# Altium PCB SmallHat_V2.PcbDoc (part 1 of 2) (continued)
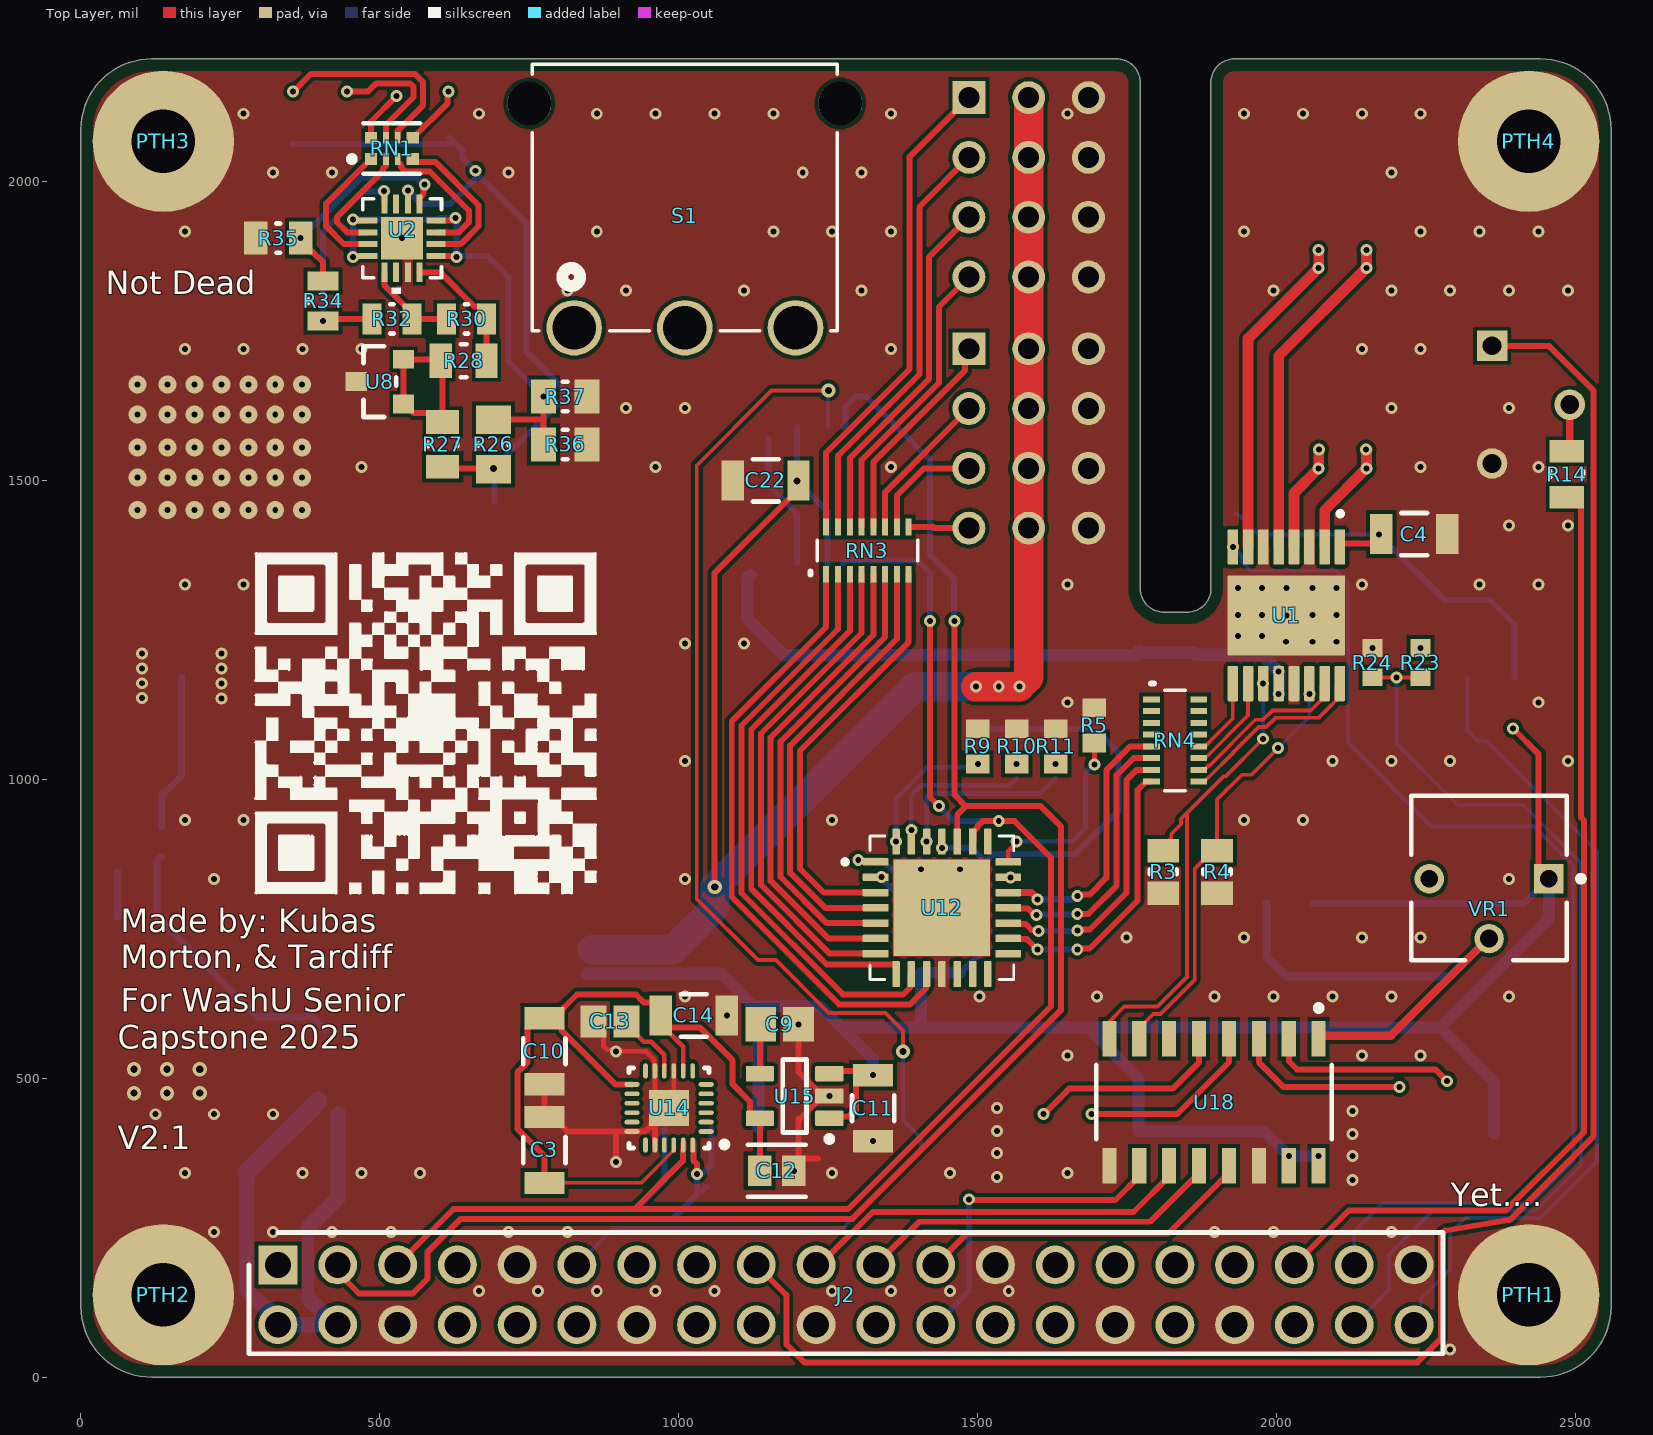
[diagram p0: Top Layer view]
## Footprints (in the part's own frame and the unit in brackets; to place one, negate y for a bottom-side part, rotate by r counter-clockwise, add the part's x,y. Pads: shape width x height; smd on the part's side, far side on the other; paste and mask are expansions set on the pad) (continued)
  rect 4.1x4.1 smd paste-3: 29(0,0)
  silkscreen extent -4.21,-3.05 3.05,3.05
RESC1608X55X25LL10T15 [mm] "Chip Resistor, 2-Leads, Body 1.60x0.80mm, IPC High Density"
  rect 0.6x0.8 smd: 1(-0.65,0) 2(0.65,0)
  body extent -0.85,-0.45 0.85,0.45, height 0.55
RESC1608X55X25ML10T15 [mm] "Chip Resistor, 2-Leads, Body 1.60x0.80mm, IPC Low Density"
  rect 0.8x1 smd: 1(-0.75,0) 2(0.75,0)
  body extent -0.85,-0.45 0.85,0.45, height 0.55
RESC1608X55X30LL15T15 [mm] "Chip Resistor, 2-Leads, Body 1.60x0.80mm, IPC High Density"
  rect 0.7x0.85 smd: 1(-0.625,0) 2(0.625,0)
  body extent -0.87,-0.48 0.87,0.48, height 0.55
RESC1609X50X30NL10T20 [mm] "Chip Resistor, 2-Leads, Body 1.55x0.85mm, IPC Medium Density"
  rect 0.8x0.95 smd: 1(-0.625,0) 2(0.625,0)
  body extent -0.82,-0.48 0.82,0.48, height 0.5
RESC1609X55X30LL10T20 [mm] "Chip Resistor, 2-Leads, Body 1.60x0.85mm, IPC High Density"
  rect 0.75x0.85 smd: 1(-0.625,0) 2(0.625,0)
  body extent -0.85,-0.48 0.85,0.48, height 0.55
RESC2013X50X30NL20T20 [mm] "Chip Resistor, 2-Leads, Body 2.00x1.25mm, IPC Medium Density"
  rect 1.05x1.45 smd: 1(-0.925,0) 2(0.925,0)
  silkscreen extent -0.1,-0.63 0.1,0.63, body extent -1.1,-0.72 1.1,0.72, height 0.5
RESC2013X60X35NL10T20 [mm] "Chip Resistor, 2-Leads, Body 2.00x1.25mm, IPC Medium Density"
  rect 1x1.35 smd: 1(-0.9,0) 2(0.9,0)
  silkscreen extent -0.1,-0.58 0.1,0.58, body extent -1.05,-0.67 1.05,0.67, height 0.6
RESC2113X50X35ML15T15 [mm] "Chip Resistor, 2-Leads, Body 2.2x1.4mm, IPC Low Density"
  rect 1.2x1.5 smd: 1(-1.05,0) 2(1.05,0)
  silkscreen extent -0.05,-0.65 0.05,0.65, body extent -1.1,-0.7 1.1,0.7, height 0.5
RHDR40W64P254_2X20_5130X500X1375P [mm]
  rect 1.65x1.65 hole 1.1: 1(-24.13,1.27)
  round 1.65 hole 1.1: 2(-24.13,-1.27) 3(-21.59,1.27) 4(-21.59,-1.27) 5(-19.05,1.27) 6(-19.05,-1.27) 7(-16.51,1.27) 8(-16.51,-1.27) 9(-13.97,1.27) 10(-13.97,-1.27) 11(-11.43,1.27) 12(-11.43,-1.27) 13(-8.89,1.27) 14(-8.89,-1.27) 15(-6.35,1.27) 16(-6.35,-1.27) 17(-3.81,1.27) 18(-3.81,-1.27) 19(-1.27,1.27) 20(-1.27,-1.27) 21(1.27,1.27) 22(1.27,-1.27) 23(3.81,1.27) 24(3.81,-1.27) 25(6.35,1.27) 26(6.35,-1.27) 27(8.89,1.27) 28(8.89,-1.27) 29(11.43,1.27) 30(11.43,-1.27) 31(13.97,1.27) 32(13.97,-1.27) 33(16.51,1.27) 34(16.51,-1.27) 35(19.05,1.27) 36(19.05,-1.27) 37(21.59,1.27) 38(21.59,-1.27) 39(24.13,1.27) 40(24.13,-1.27)
  silkscreen extent -25.36,-2.5 25.36,2.65, body extent -25.36,-2.5 25.36,2.5, height 0.25
TDK-QFN-24_L [mm] "QFN, 24-Leads, Body 3.10x3.10mm, Pitch 0.40mm, Thermal Pad 1.70x1.54mm, IPC High Density"
  oval 0.65x0.2 smd: 1(-1.575,1) 2(-1.575,0.6) 3(-1.575,0.2) 4(-1.575,-0.2) 5(-1.575,-0.6) 6(-1.575,-1) 13(1.575,-1) 14(1.575,-0.6) 15(1.575,-0.2) 16(1.575,0.2) 17(1.575,0.6) 18(1.575,1)
  oval 0.2x0.65 smd: 7(-1,-1.575) 8(-0.6,-1.575) 9(-0.2,-1.575) 10(0.2,-1.575) 11(0.6,-1.575) 12(1,-1.575) 19(1,1.575) 20(0.6,1.575) 21(0.2,1.575) 22(-0.2,1.575) 23(-0.6,1.575) 24(-1,1.575)
  rect 1.7x1.54 smd: 25(0,0)
  silkscreen extent -2.48,-1.7 1.7,1.7, body extent -1.55,-1.55 1.55,1.55, height 1.05
TE_5-103817-2 [mil]
  rect 55x55 hole 35: 1(-150,100)
  round 55 hole 35: 2(-50,100) 3(50,100) 4(150,100) 5(-150,0) 6(-50,0) 7(50,0) 8(150,0) 9(-150,-100) 10(-50,-100) 11(50,-100) 12(150,-100)
  silkscreen extent -194,-169 192,194
TS5B_L [mm] "D2-PAK, 6-Leads, Body 8.6x10.2mm, Pitch 1.7mm, Lead Span 14.1mm, IPC High Density"
  rect 2.9x1 smd: 1(-5.95,3.4) 2(-5.95,1.7) 3(-5.95,0) 4(-5.95,-1.7) 5(-5.95,-3.4)
  rect 8x10.4 smd: 6(3.4,0)
  silkscreen extent -6.07,-5.2 -1,5.2, body extent -2.7,-5.2 6.19,5.2, height 4.65
WE-PD_1280 [mm] "SMT Shielded Power Inductor, 2-leads, body 12x12mm"
  rect 5.4x2.9 smd: 1(0,-4.95) 2(0,4.95)
  Top Layer keep-out region: -6,6 -2.9,6 -2.9,3.3 2.9,3.3 2.9,6 6,6 6,-6 2.9,-6 2.9,-3.3 -2.9,-3.3 -2.9,-6 -6,-6
  silkscreen extent -6.25,-7.02 6.25,6.25, body extent -6,-6 6,6, height 7.51
YC248-JR-07100RL-Footprint-2 [mil]
  rect 28x10 smd paste+0 mask+0: 1(0,0) 2(0,-19.68) 3(0,-39.37) 4(0,-59.06) 5(0,-78.74) 6(0,-98.43) 7(0,-118.11) 8(0,-137.8) 9(79,-137.8) 10(79,-118.11) 11(79,-98.43) 12(79,-78.74) 13(79,-59.06) 14(79,-39.37) 15(79,-19.68) 16(79,0)
  silkscreen extent -1,-153 57,26

## Part data
C1 C3 C4 C10 C11 C14 C15 C17 C22: library part CMP-03020-000153-1, "CAP CER 0.1UF 100V X7R 1206", Capacitance="0.10 μF", Manufacturer=KEMET, Manufacturer Part Number=C1206C104K1RACTU, Package=C1206C-EB, Temperature="-55°C to +150°C", Temperature Characteristic=X7R, Temperature Coefficient=15%, Temperature Range High=+150°C, Temperature Range Low=-55°C, Tolerance=0.1, Voltage Rating="100 V", Automotive=Yes, Automotive Grade="Grade 0", Category=Cap, ComponentLink2Description=Datasheet, ComponentLink2URL=https://content.kemet.com/datasheets/KEM_C1007_X8R_ULTRA_150C_SMD.pdf, Device Class L1="Passive Components", Device Class L2=Capacitors, Device Class L3="Ceramic Capacitors", Digikey Description="CAP CER 0.1UF 100V X7R 1206", Height=0.88mm, Ipc Land Pattern Name=CAPC320160X78, Lead Free=Yes, Material=Ceramic, Mouser Description="CAP CER 0.1UF 100V X7R 1206", Octopart=https://octopart.com/c1206c104k1ractu-kemet-89521, Part Number=C1206C104K1RACTU, RoHS=TRUE
C2 C12: library part CMP-2007-03541-2, "Chip Multilayer Ceramic Capacitors for General Purpose, 0805, 10uF, X5R, 15%, 10%, 25V", Case Code (Imperial)=0805, Case Code (Metric)=2012, Dielectric=X5R, Max Operating Temperature=85°C, Min Operating Temperature=-55°C, Package Quantity=1, Part Number=GRM21BR61E106KA73L, Tolerance=10%, Voltage=25V, Capacitance=10uF, Case/Package=0805, Depth=1.25mm, Height=1.25mm, Lead Free="Lead Free", Length=2mm, Material=Ceramic, Mount="Surface Mount", Packaging="Tape and Reel", Radiation Hardening=No, Termination=SMD/SMT, Thickness=0.053inch, Voltage Rating=25V, Voltage Rating (DC)=25V, Width=0.049inch
C8: library part CMP-05427-000014-1, "CAP ALUM 220UF 20% 50V SMD", Leakage Current=110uA, Manufacturer=Panasonic, Manufacturer Part Number=EEEFK1H221P, Package=FKG, Part Number=EEE-FK1H221P, Ripple Current=670mA, Temperature="-55°C to +105°C", Temperature Range High=+105°C, Temperature Range Low=-55°C, Tolerance=20%, Voltage Rating=50V, Automotive=Yes, Automotive Grade="Grade 2", Capacitance=220uF, Category=Cap, ComponentLink2Description=Datasheet, ComponentLink2URL=https://industrial.panasonic.com/cdbs/www-data/pdf/RDE0000/ABA0000C1181.pdf, Device Class L1="Passive Components", Device Class L2=Capacitors, Device Class L3="Aluminum Electrolytic Capacitors", Digikey Description="CAP ALUM 220UF 20% 50V SMD", Dissipation Factor=10%, Esr=0.18Ω, Height=10.5mm, Lead Free=Yes, Life=2000Hours, Material=Aluminum, Mouser Description="Cap Aluminum Lytic 220uF 50V 20% (10 X 10.2mm) SMD 670mA 2000h 105C Automotive T/R", Octopart=https://octopart.com/eeefk1h221p-panasonic-1332836, RoHS=TRUE
C9: library part CMP-2007-03708-1, "50V 10nF X7R ±10% 0805 Multilayer Ceramic Capacitors MLCC - SMD/SMT ROHS", Manufacturer=Kemet, Part Number=C0805F103K5RACTU
C13: library part CMP-2007-03234-1, "25V 1uF X7R ±10% 0805 Multilayer Ceramic Capacitors MLCC - SMD/SMT ROHS", Manufacturer=Kemet, Part Number=C0805C105K3RACTU
C16: library part CMP-2000-06206-1, "Aluminum Electrolytic Capacitor, 100 uF, +/- 20%, 25 V, 2-Pin SMD (Size Code D8), -55 to 105 degC, RoHS, Tape and Reel", Capacitance=100µF, Case Size/Dimension=Ø6.3x7.7mm, Lifetime@Temperature=2000Hrs@105°C, Manufacturer=Panasonic, Operating Temp Range=-55to+105°C, Operating Temp-Max=105°C, Package Description="2-Pin Electrolytic Aluminum Capacitor, Body 6.6 x 6.6 mm", Package Reference=FK-V-D8, Part Number=EEE-FK1E101XP, Rated Voltage=25V, Ripple Current=280mA, Datasheet URL=http://industrial.panasonic.com/cdbs/www-data/pdf/RDE0000/ABA0000C1181.pdf, Datasheet Version=03/2016, Impedance=0.34O, Manufacturer URL=http://www.panasonic.com/, Mounting Technology=SurfaceMount, Package URL=http://industrial.panasonic.com/cdbs/www-data/pdf/RDE0000/DME0000COL48.pdf, Series=FK, Type=Can
D1: library part CMP-02539-000012-1, "DIODE SCHOTTKY 40V 3A DO214AB", Forward Current=3A, Manufacturer=Vishay, Max Junction Temp=+150°C, Max Repetitive Reverse Voltage=40V, Max Surge Forward Current=100A, Package=95402, Peak Reverse Current=0.5mA, Temperature="-55°C to +150°C", Temperature Range Low=-55°C, Automotive=No, Category=Diode, ComponentLink2Description=Datasheet, ComponentLink2URL=http://www.vishay.com/docs/88751/ss32.pdf, Device Class L1="Discrete Semiconductors", Device Class L2=Diodes, Device Class L3="Schottky Diodes", Digikey Description="DIODE SCHOTTKY 40V 3A DO214AB", Footprint Url=http://www.vishay.com/docs/95402/smc.pdf, Height=2.62mm, Lead Free=Yes, Manufacturer Part Number=SS34-E3/57T, Mouser Description="Schottky Diodes & Rectifiers 3.0 Amp 40 Volt", Octopart=https://octopart.com/ss34-e3%2F57t-vishay-39552907, Part Number=SS34-E3/57T, RoHS=TRUE, Standoff Height=0mm, Temperature Range High=+150°C
J1 J7: library part CMP-023-000000-3, "12 MODII HDR 3RST UNSHRD .100", Package=None, Part Number=TSW-104-07-L-T, Arrow_Electronics-Purchase-URL=https://snapeda.com/shop?store=Arrow+Electronics&id=1068516, Availability=Unavailable, Centerline_Pitch="2.54 mm[.1 in]", Component Type=Standard, Design Item ID=5-103817-2, DigiKey-Purchase-URL=https://snapeda.com/shop?store=DigiKey&id=1068516, EU_RoHS_Compliance=Compliant, MF="TE Connectivity", Mouser-Purchase-URL=https://snapeda.com/shop?store=Mouser&id=1068516, MP=5-103817-2, Number_of_Positions=12, Pin Count=12, Price=None, Product_Type=Connector, SnapEDA_Link=https://www.snapeda.com/parts/5-103817-2/TE%20Connectivity%20AMP%20Connectors/view-part/1068516/?ref=snap, Source=5-103817-2.SchLib
J2: "Connector", Manufacturer_Name=SparkFun, Mouser Part Number=474-PRT-16764, Arrow Part Number=PRT-16764, Arrow Price/Stock=null?region=nac, Datasheet Link=https://cdn.sparkfun.com/assets/0/8/d/b/2/DS-16764-2_X_20_Pin_Extended_GPIO_Header_-_Female_-_13.5mm_9.80mm.pdf, Height=13.75mm, Mouser Price/Stock=https://www.mouser.co.uk/ProductDetail/SparkFun/PRT-16764?qs=W%2FMpXkg%252BdQ4FKwyaXnhaEw%3D%3D, Part Number=PRT-16764
J3 J4 J6 J8: library part CMP-002-00074-1, "2.0mm pitch/Disconnectable Insulation displacement and Crimp style connectors", Part Number=B4B-PH-SM4-TB
J5: library part CMP-002-00072-1, "Connector Header, PH Series, 3 Position, 2.00mm, 100V, Surface Mount, Solder, Pick and Place, Natural.", Part Number=B3B-PH-SM4-TB
J9 J10 J11: library part CMP-002-00073-1, "Connector Header, PH Series, 2 Position, 2.00mm, 100V, Surface Mount, Solder, Natural", Part Number=B2B-PH-SM4-TB
L1: library part CMP-0227-00205-2, Ambient Temperature Range High=85°C, Ambient Temperature Range Low=-40°C, Case/Package=Nonstandard, Current Rating=3A, DC Resistance (DCR)=53mΩ, Inductance=47µH, Inductance Tolerance=20%, Max DC Current=2.7A, Max Operating Temperature=125°C, Resistance=100mΩ, Self Resonant Frequency=7.9MHz, Test Frequency=1kHz, Composition=Wirewound, Core Material=Ferrite, Depth=12mm, Height=8mm, Height - Seated (Max)=8.001mm, Lead Free="Lead Free", Lead Pitch=7mm, Length=12mm, Min Operating Temperature=-40°C, Mount="Surface Mount", NexarPartId=8917149, Number of Pins=2, Packaging="Cut Tape (CT)", Part Number=744770147, REACH SVHC=Unknown, RMS Current (Irms)=2.7A, RoHS=Compliant, Saturation Current=3A, Series Resistance=100mΩ, Shielding=Shielded, Termination=SMD/SMT, Tolerance=20%, Weight=4.535924g, Width=12mm
LED1 LED5 LED6 LED7 LED8: library part CMP-007-00037-3, "Single Color LED, High Efficiency Red, Untinted Diffused, 1.4mm", Forward Current=20mA, Forward Voltage=2.6V, Max Operating Temperature=85°C, Min Operating Temperature=-40°C, Mounting Technology="Surface Mount", Part Number=HSMS-C170, Pins=2, RoHS Compliant=Yes
PD1 PD2 PD3 PD4 PD5 PD6: library part "0805 Pads", P&P Comment="DO NOT PLACE"
PTH1 PTH2 PTH3 PTH4: library part CMP-00030-00001-4, "Mounting Hole with inner diameter of 2.7mm and outer diameter of 6mm (Made for Rasberry Pi 4b", P&P Comment="NO NOT PLACE"
R1: library part CMP-2000-00466-1, Manufacturer=Panasonic, Part Number=ERJ-3EKF3741V
R2 R5 R6 R7 R9 R10 R11 R12: library part CMP-2000-05022-1, "Resistor, 10 KOhm, +/- 5%, 100 mW, -55 to 155 degC, 0603 (1608 Metric), RoHS, Tape and Reel - RC0603JR-0710KL", Case Code - in=0603, Case Code - mm=1608, Manufacturer=Yageo, Operating Temperature Range=-55Cto+155C, Package Description="2-Pin Surface Mount Device, Body 1.6 x 0.8 mm", Package Reference=603, Part Number=RC0603JR-0710KL, Power Rating=100mW, Resistance=10kOhms, Temperature Coefficient=100PPM/C, Tolerance=5%, Voltage Rating=50V, Datasheet URL=http://www.farnell.com/datasheets/443971.pdf, Datasheet Version="Rev. 4, 04/2009", Manufacturer URL=http://www.yageo.com/, Packaging=Reel, Product=ThickFilmResistorsGeneralPurpose, Series=RC, Termination Style=SMD/SMT
R3 R4: library part CMP-2001-00911-1, "RC0805FR-0712K4L / Fixed Resistor, Metal Glaze/thick Film, 0.125W, 12400ohm, 150V, 1% +/-Tol, 100ppm/Cel, Surface Mount, 0805", Manufacturer=Yageo, Part Number=RC0805FR-0712K4L
R8 R14 R27: library part CMP-2001-03755-2, "RES Thick Film, 2kΩ, 1%, 0.125W, 100ppm/°C, 0805", Case Code (Imperial)=0805, Case Code (Metric)=2012, Max Operating Temperature=155°C, Max Power Dissipation=125mW, Min Operating Temperature=-55°C, Package Quantity=10, Part Number=CRCW08052K00FKEA, Resistance=2kR, Temperature Coefficient=100ppm/°C, Tolerance=1%, Voltage Rating=150V, Case/Package=0805, Composition="Thick Film", Contact Plating=Tin, Depth=1.25mm, Features="Automotive AEC-Q200", Height=0.02inch, Lead Free="Lead Free", Length=2mm, Military Standard=Not, Mount="Surface Mount", Number of Pins=2, Number of Terminals=2, Number of Terminations=2, Packaging="Tape and Reel", Power Rating=125mW, Radiation Hardening=No, Termination=SMD/SMT, Voltage Rating (DC)=150V, Weight=0.000194oz, Width=1.25mm, Working Voltage=150V
R13: library part CMP-2000-02979-1, "Fixed Resistor, Metal Glaze/thick Film, 0.1W, 1130ohm, 75V, 1% +/-Tol, 100ppm/Cel, Surface Mount, 0603", Manufacturer="Vishay Dale", Part Number=CRCW06031K13FKEA
R23: library part CMP-2000-03719-1, "TNPW06031K00BETA / 100mW Thin Film Resistor ±25ppm/℃ ±0.1% 1kΩ 0603  Chip Resistor - Surface Mount ROHS", Manufacturer="Vishay Dale", Part Number=TNPW06031K00BETA
R24: library part CMP-2000-03747-1, "TNPW06032K00BEEA / 125mW Thin Film Resistor ±25ppm/℃ ±0.1% 2kΩ 0603  Chip Resistor - Surface Mount ROHS", Manufacturer="Vishay Dale", Part Number=TNPW06032K00BEEA
R26: library part CMP-2001-03847-3, "Chip Resistor, 36 KOhm, +/- 1%, 0.125 W, -55 to 155 degC, 0805 (2012 Metric), RoHS, Tape and Reel", Manufacturer="Vishay Semiconductor", Max Operating Temperature="155 degC", Min Operating Temperature="-55 degC", Package Quantity=5000, Part Number=CRCW080536K0FKEA, Voltage Rating="150 V", ComponentLink1Description="Manufacturer URL", ComponentLink1URL=http://www.vishay.com/, ComponentLink2Description=Datasheet, ComponentLink2URL=http://www.farnell.com/datasheets/1697337.pdf, DatasheetVersion=06/2012, Height="0.45 mm", Length="2 mm", Mount="Surface Mount", Mounting Technology="Surface Mount", PackageDescription="2-Pin Surface Mount Device, Body 2.05 x 1.25 mm", PackageReference=0805, Packaging="Tape and Reel", Pins=2, REACH SVHC=Unknown, RoHSCompliant=true
R28: library part CMP-2001-03741-2, "RES Thick Film, 27kΩ, 1%, 0.125W, 100ppm/°C, 0805", Case Code (Imperial)=0805, Case Code (Metric)=2012, Max Operating Temperature=155°C, Max Power Dissipation=125mW, Min Operating Temperature=-55°C, Package Quantity=10, Part Number=CRCW080527K0FKEA, Resistance=27kR, Resistance Tolerance=1%, Resistor Type="Thick Film", Temperature Coefficient=100ppm/°C, Voltage Rating=150V, Case/Package=0805, Construction=Rectangular, Contact Plating=Tin, Depth=1.25mm, Features="Automotive AEC-Q200", Height=0.45mm, Lead Free="Lead Free", Length=2mm, Military Standard=Not, Mount="Surface Mount", Number of Pins=2, Number of Terminations=2, Packaging="Tape and Reel", Power Rating=125mW, Radiation Hardening=No, RoHS Compliant=Yes, Series=CRCW, Size Code=0805, Technology="THICK FILM", Termination=SMD/SMT, Tolerance=1%, Voltage Rating (DC)=150V, Weight=0.000194oz, Width=0.049inch
R30 R32 R34: library part CMP-2001-03869-2, "RES Thick Film, 3kΩ, 1%, 0.125W, 100ppm/°C, 0805", Case Code (Imperial)=0805, Case Code (Metric)=2012, Max Operating Temperature=155°C, Max Power Dissipation=125mW, Min Operating Temperature=-55°C, Package Quantity=10, Part Number=CRCW08053K00FKEA, Resistance=3kR, Temperature Coefficient=100ppm/°C, Tolerance=1%, Voltage Rating=150V, Case/Package=0805, Composition="Thick Film", Contact Plating=Tin, Depth=1.25mm, Features="Automotive AEC-Q200", Height=0.45mm, Lead Free="Lead Free", Length=2mm, Military Standard=Not, Number of Terminations=2, Packaging="Tape and Reel", Power Rating=125mW, Radiation Hardening=No, Termination=SMD/SMT, Voltage Rating (DC)=150V, Weight=0.000194oz, Width=1.25mm, Working Voltage=150V
R35: library part CMP-2001-03827-2, "RES Thick Film, 33kΩ, 1%, 0.125W, 100ppm/°C, 0805", Case Code (Imperial)=0805, Case Code (Metric)=2012, Max Operating Temperature=155°C, Max Power Dissipation=125mW, Min Operating Temperature=-55°C, Package Quantity=5000, Part Number=CRCW080533K0FKEA, Resistance=33kR, Temperature Coefficient=100ppm/°C, Tolerance=1%, Voltage Rating=150V, Case/Package=0805, Composition="Thick Film", Contact Plating=Tin, Depth=1.25mm, Features="Automotive AEC-Q200", Height=0.45mm, Lead Free="Lead Free", Length=2mm, Military Standard=Not, Number of Terminations=2, Packaging="Tape and Reel", Power Rating=125mW, Radiation Hardening=No, Termination=SMD/SMT, Voltage Rating (DC)=150V, Weight=0.000194oz, Width=1.25mm
R36 R37: library part CMP-2001-03588-1, "CRCW080518K0FKEA / 125mW Thick Film Resistors 150V ±1% ±100ppm/℃ 18kΩ 0805  Chip Resistor - Surface Mount ROHS", Manufacturer="Vishay Dale", Part Number=CRCW080518K0FKEA
RN1: library part CMP-2000-06233-2, "RES ARRAY 4 RES 10K OHM 0804", Case Code (Imperial)=0402, Case Code (Metric)=1005, Case/Package=0804, Max Operating Temperature=125°C, Min Operating Temperature=-55°C, Number of Resistors=4, Package Quantity=1, Part Number="EXB-28V103JX Panasonic", Power Dissipation=63mW, Power Per Element=62.5mW, Resistance=10kR, Resistance Tolerance=5%, Temperature Coefficient=200ppm/°C, Voltage Rating=50V, Voltage Rating (DC)=100V, Circuit Type=Isolated, Depth=1mm, Height=0.35mm, Lead Free="Lead Free", Length=2mm, Military Standard=Not, Mount="Surface Mount", Number of Contacts=8, Number of Elements=4, Number of Pins=8, Number of Terminals/Pins=8, Packaging="Tape and Reel", Radiation Hardening=No, RoHS Compliant=Yes, Series=EXB, Size Code=0402, Technology="THICK FILM", Terminal Pitch=0.5mm, Termination=Convex, Tolerance=5%, Width=0.039inch
RN3 RN4: library part CMP-009-00178-4, "Array/Network Resistor, Isolated, Metal Glaze/thick Film, 100ohm, 50V, 5% +/-Tol, 200ppm/Cel, Surface Mount, 1606", Case/Package=1606, Max Operating Temperature=155°C, Min Operating Temperature=-55°C, Tolerance=5%, Mounting Technology="Surface Mount", Part Number=YC248-JR-07100RL, Pins=16, RoHS Compliant=Yes
S1: library part CMP-011-00016-3, "Switch, SPDT, Horizontal, 6A, 28VDC, Through Hole-right Angle", Max Operating Temperature=65°C, Min Operating Temperature=-30°C, Mounting Technology="Through Hole", Part Number=1101M2S3AQE2
S2: library part CMP-011-00017-1, "Slide Switch", Part Number=CL-SB-12C-02, RoHS Compliant=Yes
U1: library part CMP-021-000000-3, "1.65-V to 11-V, 4-A dual H-bridge motor driver with IPROPI current regulation", Package="TSSOP-16 Texas Instruments", Check_prices=https://www.snapeda.com/parts/DRV8411APWPR/Texas+Instruments/view-part/?ref=eda, Component Type=Standard, Design Item ID=DRV8411APWPR, MF="Texas Instruments", MP=DRV8411APWPR, Part Number=DRV8411APWPR, Pin Count=17, SnapEDA_Link=https://www.snapeda.com/parts/DRV8411APWPR/Texas+Instruments/view-part/?ref=snap, Source=DRV8411APWPR.SchLib
U2: library part CMP-014-00002-3, "Operational Amplifier, 4 Func, 9000uV Offset-Max, BIPolar, PQCC16", Case/Package=HVQCCN, Max Operating Temperature=70°C, Min Operating Temperature=0°C, Nominal Supply Voltage=5V, Channels=4, Part Number=LM324QT, Pins=16, RoHS Compliant=Yes
U3: library part CMP-0069-00272-2, "SIMPLE SWITCHER® Power Converter 150 KHz 3A Step-Down Voltage Regulator, 5-pin TO-263", Manufacturer="National Semiconductor", PackageTopMarking="NSUZXYTTE#*LM2596S*-ADJ P+", Part Number=4518-LM2596S-ADJTR-ND, PowerWise=N, Code_JEDEC=MO-169-AB, ComponentLink1Description="LM2596 Datasheet", ComponentLink1URL=http://www.national.com/ds/LM/LM2596.pdf, ComponentLink2Description="LM2596 Web Page", ComponentLink2URL=http://www.national.com/pf/LM/LM2596.html, ComponentLink3Description="TS5B Package Page", ComponentLink3URL=http://www.national.com/packaging/folders/ts5b.html, CompType=Switcher, DatasheetVersion=May-2002, PackageDescription="TO-263, Molded, .400 x .390 x .180in, 5 Lead, .067in Pitch, Surface Mount", PackageReference=TS5B, PackageVersion="revD, Apr-2005", PinCount=5, RevisionNote="Component URLs added", RoHS=N
U8: library part CMP-12755-000001-1, "IC VREF SHUNT ADJ SOT23-3", Ambient Temperature Range High=+125°C, Ambient Temperature Range Low=-40°C, Manufacturer="DIODES INC.", Max Junction Temp=+150°C, Max Power Dissipation=330mW, Package=SOT23, Temperature="to +150°C", Automotive=No, Category=IC, ComponentLink2Description=Datasheet, ComponentLink2URL=https://www.diodes.com/assets/Datasheets/TL431_432.pdf, Device Class L1="Integrated Circuits (ICs)", Device Class L2="Power Management ICs", Device Class L3="Voltage References", Digikey Description="IC VREF SHUNT ADJ SOT23-3", Footprint Url=https://www.diodes.com/assets/Package-Files/SOT23.pdf, Height=1.1mm, Ipc Land Pattern Name=SOT92P240X102-3, Lead Free=Yes, Manufacturer Part Number=TL431ASA-7, Mouser Description="V-Ref Adjustable 2.495V to 36V 100mA 3-Pin SOT-23 T/R", Octopart=https://octopart.com/tl431asa-7-diodes+inc.-18832779, Output Type=AdjustableProgrammable, Part Number=TL431ASA-7, Reference Type=Shunt, RoHS=TRUE, Standoff Height=0.013mm, Temperature Range High=+150°C
U9: library part CMP-04910-000015-1, "IC MONITOR PWR/CURR 16TSSOP", Ambient Temperature Range High=+125°C, Ambient Temperature Range Low=-40°C, Manufacturer="Texas Instruments", Max Junction Temp=+150°C, Max Supply Voltage=5.5V, Min Supply Voltage=2.7V, Nominal Supply Current=310uA, Output Current=10mA, Package=PW0016A, Temperature="-40°C to +125°C", Automotive=No, Category=IC, ComponentLink2Description=Datasheet, ComponentLink2URL=http://www.ti.com/lit/ds/symlink/ina260.pdf, Device Class L1="Integrated Circuits (ICs)", Device Class L2="Power Management ICs", Device Class L3=unset, Digikey Description="IC MONITOR PWR/CURR 16TSSOP", Height=1.2mm, Lead Free=Yes, Manufacturer Part Number=INA260AIPWR, Octopart=https://octopart.com/ina260aipwr-texas+instruments-75199489, Part Number=INA260AIPWR, RoHS=TRUE, Standoff Height=0.05mm, Temperature Range High=+125°C, Temperature Range Low=-40°C
U12: "LED Driver IC 16 Output Linear PWM Dimming 25mA 28-HVQFN (6x6)", Package="HVQFN-28 NXP Semiconductors", Availability=Unavailable, MF="NXP USA", MP=PCA9685BS,118, Part Number=PCA9685BS,118, Price=None, SnapEDA_Link=https://www.snapeda.com/parts/PCA9685BS,118/NXP%20USA%20Inc./view-part/215271/?ref=snap
U14: library part CMP-031-00007-3, "Accelerometer and Gyroscope Compass 9-Axis Digital 24-Pin QFN T/R", Case/Package=QFN, Max Operating Temperature=85°C, Max Supply Voltage=3.6V, Min Operating Temperature=-40°C, Min Supply Voltage=1.71V, Mounting Technology="Surface Mount", Part Number=ICM-20948
U15: library part CMP-0394-00328-2, "Single Output High PSRR LDO, 200 mA, Fixed 1.8 V Output, 2.7 to 5.5 V Input, 5-pin SOT-23 (DBV), -40 to 85 degC, Green (RoHS & no Sb/Br)", Manufacturer="Texas Instruments", Rating=Catalog, Accuracy(%)=2, Code_JEDEC=MO-178, ComponentLink1Description="Manufacturer URL", ComponentLink1URL=http://www.ti.com/, ComponentLink2Description=Datasheet, ComponentLink2URL=http://www.ti.com/general/docs/lit/getliterature.tsp?genericPartNumber=TPS79318&fileType=pdf, ComponentLink3Description="Package Specification", ComponentLink3URL=http://www.ti.com/litv/pdf/mpds018i, DatasheetVersion=SLVS348K, Eco-Plan="Green (RoHS & no Sb/Br)", Fixed Output Options(V)=1.8, Iout(Max)(A)=0.2, Iq(Typ)(mA)=0.2, Mounting Technology="Surface Mount", PackageDescription="5-Pin Plastic Small Outline, Body 1.60 Ãƒâ€” 2.90 mm, Pitch 0.95 mm", PackageReference=DBV0005A, PackageVersion=4073253-4/K, Part Number=TPS79318DBVR, SubFamily="Single Channel LDO", Vdo(Typ)(mV)=112, Vin(Max)(V)=5.5, Vin(Min)(V)=2.7, Vout Adj(Max)(V)=1.8, Vout Adj(Min)(V)=1.8
U18: library part CMP-0188-00351-3, "IC ADC 10BIT SAR 16SOIC", Case/Package=SOIC, Max Operating Temperature=85°C, Max Supply Voltage=5.5V, Min Operating Temperature=-40°C, Min Supply Voltage=2.7V, Nominal Supply Current=425uA, Operating Supply Voltage=5V, Output Voltage=4.1V, Package Quantity=2600, Contact Plating=Tin, Conversion Rate=200KS/s, Differential Nonlinearity=1LSB, Full Scale Error=1LSB, Integral Nonlinearity (INL)=1LSB, Interface=SPI, Lead Free="Lead Free", Mount="Surface Mount", Number of A/D Converters=1, Number of Bits=10, Number of Channels=8, Number of Converters=1, Number of Elements=1, Number of Pins=16, Packaging="Tape and Reel", Part Number=MCP3008T-I/SL, Polarity=Unipolar, Radiation Hardening=No, REACH SVHC="No SVHC", Resolution=10b, Sampling Rate=200KS/s, Signal to Noise Ratio (SNR)=200dB, Supply Type=Single
VR1: library part CMP-1747-00004-1, "Square Trimpot(R) Trimming Potentiometer, 10 KOhm, 300 V, -55 to 125 degC, 3-Pin THD, RoHS, Tube", Case Code (Imperial)=0612, Case Code (Metric)=1632, Case/Package=1206, Max Operating Temperature=125degC, Min Operating Temperature=-25degC, Package Quantity=5000, Power Rating="1 W", Resistance="50 mohm", Tolerance=1%, Voltage Rating="220 mV", ComponentLink1Description="Manufacturer URL", ComponentLink1URL=http://www.bourns.com/, ComponentLink2Description=Datasheet, ComponentLink2URL=http://www.bourns.com/docs/Product-Datasheets/3362.pdf, DatasheetVersion=May-16, Height="0.6 mm", Length="3.2 mm", Mount="Surface Mount", PackageDescription="3-Pin Through Hole Device, Body 6.6 x 6.99 mm, Pitch 2.54 mm", PackageReference=3326P, Packaging="Tape and Reel", Part Number=3362P-1-103LF, Pins=2, REACH SVHC="No SVHC", RoHSCompliant=True, Width="1.6 mm"

## Via types
v1: diameter 20, hole 10, Top Layer to Bottom Layer, 233 vias
v2: diameter 30, hole 10, Top Layer to Bottom Layer, 35 vias
v3: diameter 23.62, hole 11.81, Top Layer to Bottom Layer, 11 vias

## Nets (pads, with @x,y where several pads share a name; then routed paths per layer and width w, separated by ;. In a path a pad name is that pad's centre, name@x,y a point inside that pad or via, vN(x,y) a via of type N, cw(c..) or ccw(c..) an arc to the next point about the centre after c; other vN are vias at no path point)
1.8V: C3.2 C10.1 C12.1 C14.2 U14.8 U14.13 U14.22 U15.5 | length 1448.4
  Top Layer w6: C3.2@775,324.88 936.97,324.88 991.5,379.41 U14.22@991.5,388.27
  Top Layer w8: C14.2@969.88,605 969.88,590.24 1007.24,552.87 U14.8@1007.24,512.28
  Top Layer w10: C3.2@775,324.88 775,370.31 737.9,407.42 737.81,407.42 730,415.22 730,509.78 737.81,517.58 737.9,517.58 746.54,526.22 746.54,586.42 760.24,600.12 C10.1@775,600.12 C10.1@789.76,600.12 ; U14.13@921.61,489.65 893.82,489.65 803.46,580 803.46,586.42 C10.1@789.76,600.12 ; C14.2@969.88,605 969.88,598.7 983.58,585 1035,585 1090,530 1090,490 1118.85,461.15 1118.85,440.67 1126.64,432.87 U15.5@1135.55,432.87 1135.55,345.8 C12.1@1135.03,345.28 ; C14.2@969.88,609.76 969.88,612.78 956.18,626.48 942.04,626.48 937.94,630.57 937.85,630.57 928.43,640 829.65,640 C10.1@789.76,600.12
1IN+: R34.2 R35.1 U2.1 | length 380.7
  Top Layer w10: v1(367.44,1905) 367.44,1897.09 382.25,1882.28 387.1,1882.28 405,1864.37 R34.2@405,1833.5 ; U2.1@566.53,1961.84 566.53,1972.84 573.09,1979.4 573.09,1993.09 v1(575,1995)
  Bottom Layer w10: v1(367.44,1905) 468.65,2006.21 561.08,2006.21 572.29,1995 v1(575,1995)
1OUT: RN1.3 U2.15 | length 235.9
  Top Layer w10: RN1.3@529.92,2032.44 535.61,2026.76 535.61,2023.71 542.88,2016.44 583.68,2016.44 648.84,1951.28 648.84,1931.47 632.06,1914.68 U2.15@594,1914.68